# Altium PCB PCB1.PcbDoc
Units mm, origin at the board's own origin, x right, y up, seen from the top; angles counter-clockwise.
Board outline 405.89 x 265.56 mm, 2 copper layers (Top Layer, Bottom Layer); 41 components, 69 nets, 382 pads, 107 vias.
Unrouted connection lines stored in the file: 1.
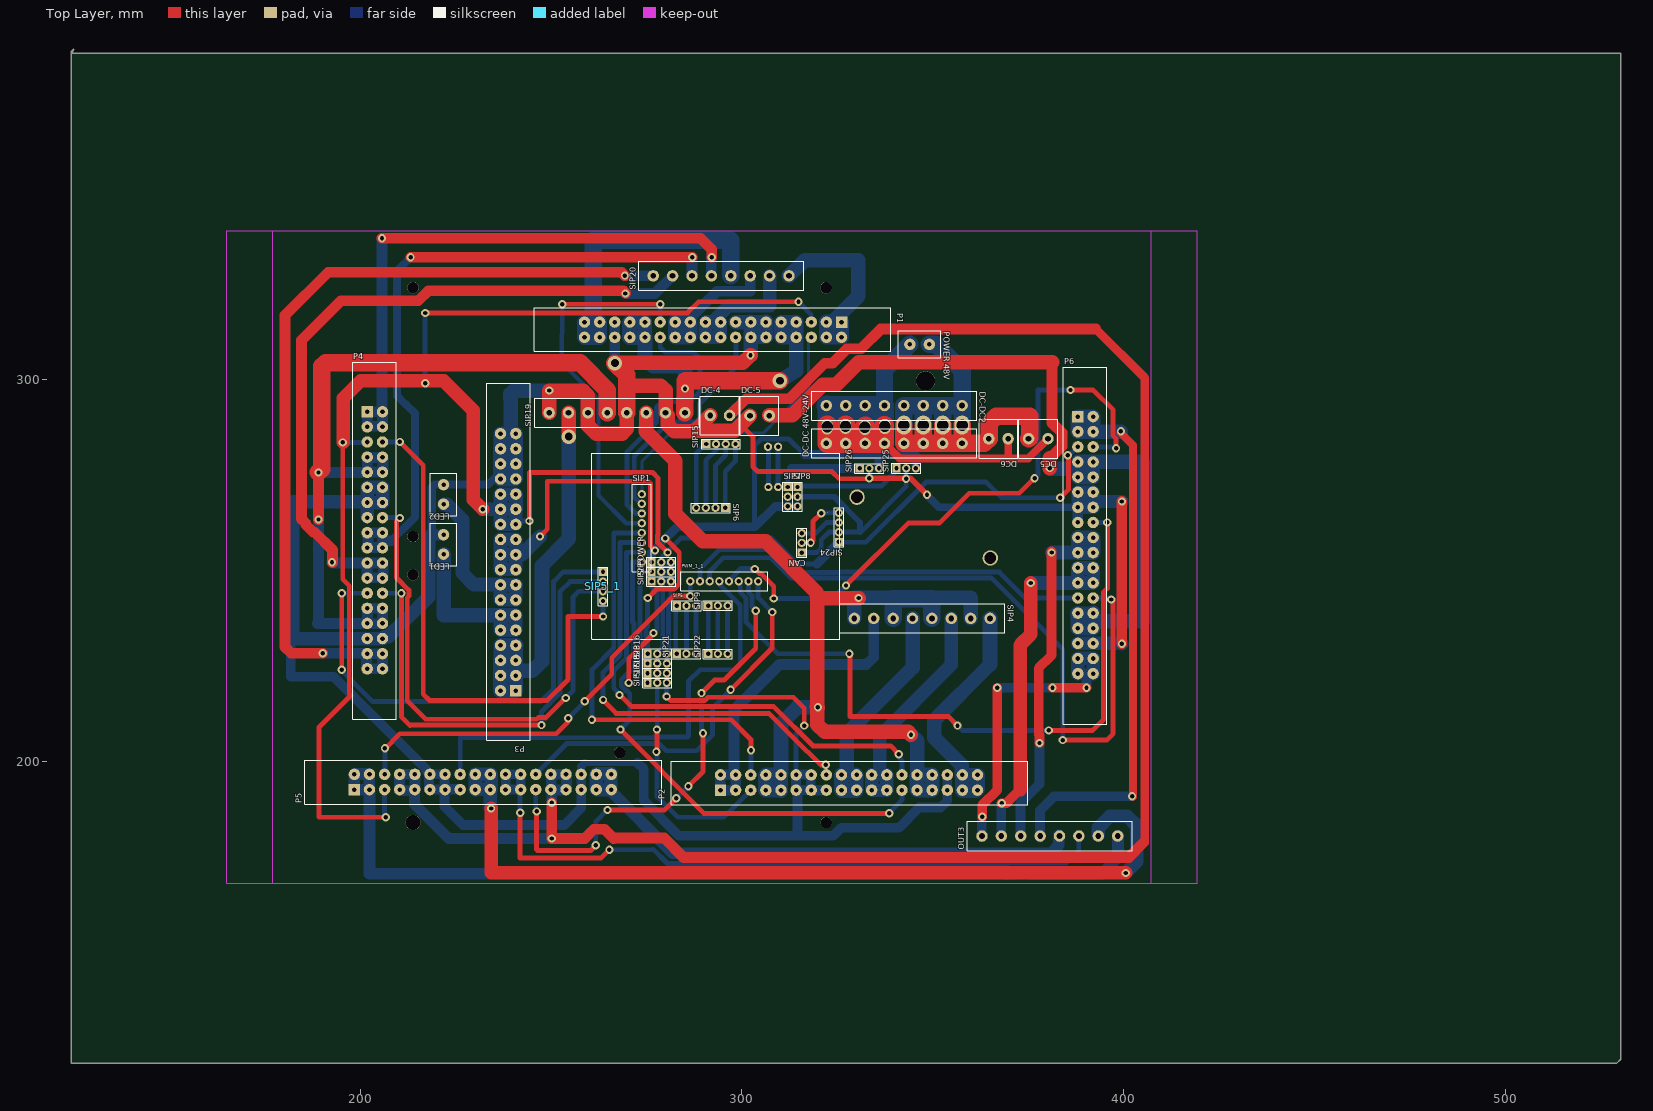
[diagram p0: Top Layer view]
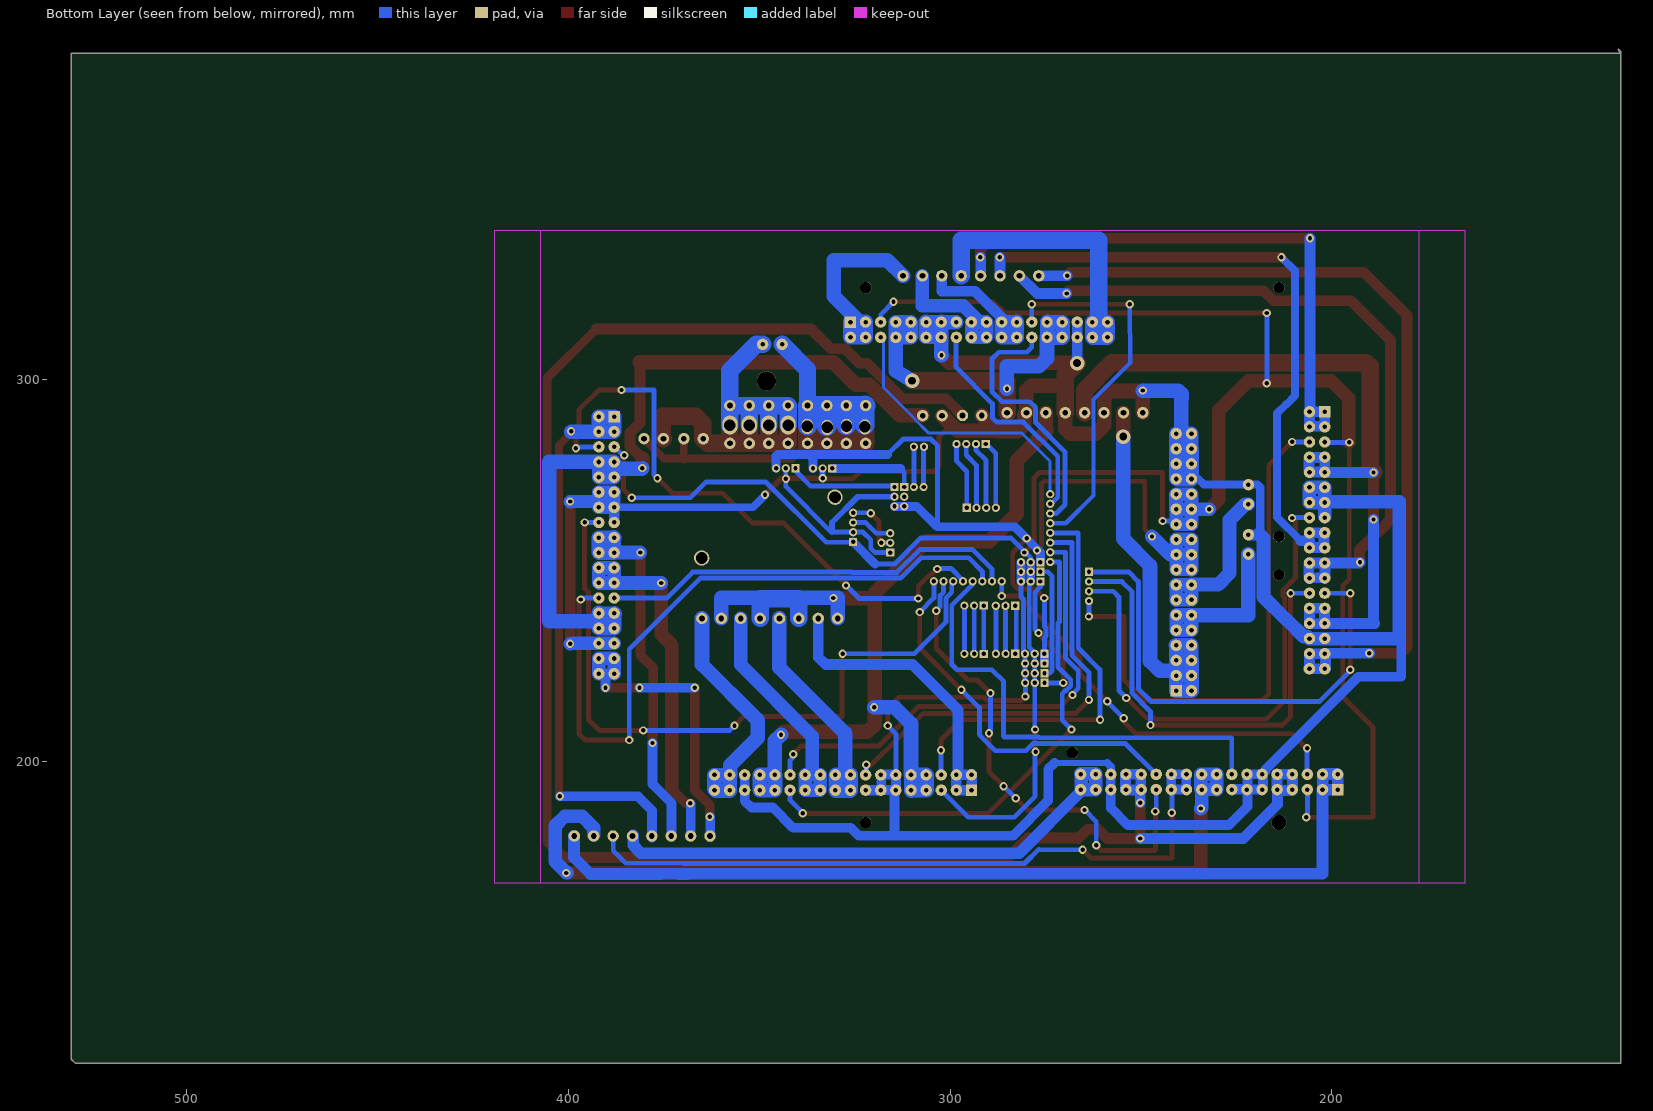
[diagram p1: Bottom Layer view, seen from below]

## Layer stack, top to bottom
Top Layer: signal copper 0.0356
Dielectric: dielectric 0.32, FR-4, Dk 4.8
Bottom Layer: signal copper 0.0356

## Board outline
124.46,385.445 124.587,385.572 530.225,385.572 530.225,122.047 529.209,121.031 124.333,121.031 124.333,385.953 124.968,386.588

## Design rules (kind name [scope] priority, off if disabled: settings)
Clearance [All] p1: gap=0.508
ComponentClearance [All] p1 off: gap=0.254 collisioncheckmode=3 verticalgap=0.254 showdistances=FALSE
PolygonConnect [All] p1: connectstyle=Relief reliefconductorwidth=0.254 reliefentries=4 polygonreliefangle="90 Angle"
RoutingVias [All] p1: holewidth=1.143 width=1.143 viastyle="Through Hole" minholewidth=1.143 minwidth=1.651 maxholewidth=12.7 maxwidth=12.7
SilkscreenOverComponentPads [All] p1: minsilkscreentomaskgap=0.254
SolderMaskExpansion [All] p1: expansion=0.102
Width [All] p1: maxlimit=12.7 minlimit=0.254 preferedwidth=0.762
26 further rules are at their usual default settings.

## Components (designator, comment, footprint, x,y, rotation, side; value= is the part's Value field where it differs from the comment)
CAN "SIP3" SIP3 315.697,254.737 r180 top
DC5 "SIP2" DIP2-3MM-K 377.647,284.582 r180 top
DC6 "SIP2" DIP2-3MM-K 367.208,284.556 r180 top
DC-4 "SIP2" DIP2-3MM-K 294.234,290.652 r0 top
DC-5 "SIP2" DIP2-3MM-K 304.648,290.601 r0 top
DC-DC2 "SIP8" DIP8-3MM 357.683,293.243 r270 top
"DC-DC 48V-24V" "SIP8" DIP8-3MM 322.123,283.337 r90 top
LED1 "SIP2" SIP2-3MM 221.869,259.41 r270 top
LED2 "SIP2" SIP2-3MM 221.869,272.517 r270 top
OUT3 "SIP8" DIP8-3MM 362.89,180.492 r90 top
P1 "Header" DIP36-3.96MM 326.111,315.112 r270 top
P2 "Header" DIP36-3.96MM 294.411,192.507 r90 top
P3 "POWER_18*2" DIP36-3.96MM 240.792,218.567 r180 top
P4 "Header" DIP36-3.96MM 201.879,291.617 r0 top
P5 "Header" DIP36-3.96MM 198.501,192.659 r90 top
P6 "Header" DIP36-3.96MM 388.01,290.347 r0 top
POWER "SIP3" SIP3 276.352,252.222 r90 top
"POWER 48V" "SIP2" SIP2-3MM 344.018,309.27 r0 top
PWM_1_1 "SIP8" SIP8 286.487,247.218 r90 top (schematic designator PWM_1)
SIP1 "SIP8" SIP8 273.787,270.053 r0 top
SIP2 "SIP3" SIP3 276.352,247.167 r90 top
SIP3 "SIP3" SIP3 276.352,249.707 r90 top
SIP4 "SIP8" DIP8-3MM 365.023,237.49 r270 top
SIP5 "SIP3" SIP3 282.956,240.792 r90 top (schematic designator 通讯端口1)
SIP5_1 "SIP4" SIP4 263.627,249.682 r0 top (schematic designator SIP5)
SIP6 "SIP4" SIP4 295.631,266.446 r270 top
SIP7 "SIP3" SIP3 312.039,271.907 r0 top
SIP8 "SIP3" SIP3 314.579,271.907 r0 top
SIP9 "SIP3" SIP3 291.186,240.843 r90 top
SIP15 "SIP4" SIP4 290.703,283.159 r90 top
SIP16 "SIP3" SIP3 275.311,228.219 r90 top
SIP17 "SIP3" SIP3 275.285,220.624 r90 top
SIP18 "SIP3" SIP3 275.285,223.139 r90 top
SIP19 "SIP8" DIP8-3MM 249.53,291.363 r90 top
SIP20 "SIP8" DIP8-3MM 276.784,327.228 r90 top
SIP21 "SIP3" SIP3 282.931,228.219 r90 top
SIP22 "SIP3" SIP3 291.186,228.194 r90 top
SIP23 "SIP3" SIP3 275.285,225.679 r90 top
SIP24 "SIP4" SIP4 325.425,257.531 r180 top
SIP25 "SIP3" SIP3 340.512,276.809 r90 top
SIP26 "SIP3" SIP3 330.86,276.784 r90 top

## Footprints (in the part's own frame and the unit in brackets; to place one, negate y for a bottom-side part, rotate by r counter-clockwise, add the part's x,y. Pads: shape width x height; smd on the part's side, far side on the other; paste and mask are expansions set on the pad)
DIP2-3MM-K [mm]
  round 3 hole 1.5: 1(-2.54,0) 2(2.54,0)
  silkscreen extent -5.08,-5.08 5.08,5.08
DIP8-3MM [mm]
  round 3 hole 1.5: 1(0,0) 2(0,-5.08) 3(0,-10.16) 4(0,-15.24) 5(0,-20.32) 6(0,-25.4) 7(0,-30.48) 8(0,-35.56)
  silkscreen extent -3.81,-39.37 3.81,3.81
DIP36-3.96MM [mm]
  rect 3x3 hole 1.2: 1(0,0)
  round 3 hole 1.2: 2(4,0) 3(0,-3.96) 4(4,-3.96) 5(0,-7.92) 6(4,-7.92) 7(0,-11.88) 8(4,-11.88) 9(0,-15.84) 10(4,-15.84) 11(0,-19.8) 12(4,-19.8) 13(0,-23.76) 14(4,-23.76) 15(0,-27.72) 16(4,-27.72) 17(0,-31.68) 18(4,-31.68) 19(0,-35.64) 20(4,-35.64) 21(0,-39.6) 22(4,-39.6) 23(0,-43.56) 24(4,-43.56) 25(0,-47.52) 26(4,-47.52) 27(0,-51.48) 28(4,-51.48) 29(0,-55.44) 30(4,-55.44) 31(0,-59.4) 32(4,-59.4) 33(0,-63.36) 34(4,-63.36) 35(0,-67.32) 36(4,-67.32)
  silkscreen extent -3.81,-80.52 7.62,12.95
SIP2-3MM [mm]
  round 3 hole 1.2: 1(0,0) 2(5.08,0)
  silkscreen extent -3.05,-3.51 8.08,3.51
SIP3 [mil]
  rect 85x85 hole 45: 1(0,0)
  round 85 hole 45: 2(0,-100) 3(0,-200)
  silkscreen extent -50,-250 50,50
SIP4 [mil]
  rect 85x85 hole 45: 1(0,0)
  round 85 hole 45: 2(0,-100) 3(0,-200) 4(0,-300)
  silkscreen extent -50,-350 50,50
SIP8 [mil]
  round 85 hole 45: 1(0,0) 2(0,-100) 3(0,-200) 4(0,-300) 5(0,-400) 6(0,-500) 7(0,-600) 8(0,-700)
  silkscreen extent -100,-800 100,100

## Free pads (board coordinates)
  round 2.159 hole 1.143: 0(309.499,271.907) 0(309.499,282.448) 1(306.832,282.448) 1(306.959,271.907)
  oval 3x4 hole 3: 0(322.326,287.655) 1(327.152,287.782) 2(332.232,287.528) 3(337.439,287.782)
  oval 4x5 hole 3: 4(342.443,288.112) 5(347.523,288.138) 6(352.603,288.112) 7(357.683,288.138)
  round 4 hole 4: 5(213.868,184.023)
  round 4 hole 3: 5(365.1,253.34) 6(330.2,269.291) 11(330.149,269.24) 12(365.049,253.289)
  round 5 hole 5: 7(348.107,299.7)
  round 3 hole 3: 9(213.868,248.92) 10(213.868,258.953) 11(213.868,324.104) 13(267.97,202.311) 14(322.072,184.023) 15(322.072,324.104)

## Via types
v1: diameter 2.159, hole 1.143, Top Layer to Bottom Layer, 104 vias
v2: diameter 3.81, hole 2.032, Top Layer to Bottom Layer, 2 vias
v3: diameter 3.81, hole 2.159, Top Layer to Bottom Layer, 1 vias

## Nets (pads, with @x,y where several pads share a name; then routed paths per layer and width w, separated by ;. In a path a pad name is that pad's centre, name@x,y a point inside that pad or via, vN(x,y) a via of type N, cw(c..) or ccw(c..) an arc to the next point about the centre after c; other vN are vias at no path point)
5V: P1.5 P2.5 P3.23 P3.24 P3.25 P3.26 P3.27 P3.28 P4.5 P5.5 P6.5 POWER.2 SIP2.2 SIP3.2 SIP16.2 SIP17.2 SIP18.2 SIP23.2 SIP24.1 | length 669.2
  Top Layer w1.27: v1(195.453,283.591) 195.453,247.777 197.167,246.062 197.167,217.742 197.612,217.297 189.23,208.915 189.23,185.42 v1(206.756,185.42) ; v1(217.043,317.5) 221.741,317.501 285.751,317.501 288.671,320.421 v1(314.833,320.421) ; v1(244.348,263.017) 244.348,275.717 276.606,275.717 278.003,274.32 278.003,259.324 277.94,259.26 277.94,257.365 v1(280.543,254.762) ; v1(277.622,202.565) 277.749,202.565 v1(277.749,208.407) ; v1(383.413,269.113) 385.572,271.272 385.572,280.035 v1(385.358,280.249)
  Top Layer w3.556: v1@195.58,283.591 195.58,295.148 200.152,299.72 221.869,299.72 229.616,291.973 229.616,268.605 v1(232.134,266.087)
  Bottom Layer w1.27: v1(195.453,283.591) 201.676,283.591 P4.5@201.803,283.464 ; P5.5 206.421,185.755 v1(206.756,185.42) ; v1(217.043,299.085) v1(217.043,317.5) ; P3.23@240.411,262.763 240.665,263.017 v1(244.348,263.017) ; v1@277.749,202.819 277.749,190.881 283.21,185.42 295.245,185.42 P2.5 ; v1(277.749,208.407) 277.825,208.483 SIP17.2 ; SIP16.2@277.749,228.219 278.422,228.892 278.422,229.034 279.273,229.885 279.273,246.786 SIP2.2 ; SIP17.2@277.825,220.802 SIP18.2 ; SIP18.2@277.851,223.241 SIP16.2 ; POWER.2@279.019,251.587 278.892,251.714 278.892,253.365 284.099,258.572 307.721,258.572 314.579,251.714 319.608,251.714 ; v1(314.833,320.421) 318.191,317.063 P1.5 ; SIP24.1@325.247,257.429 325.323,257.429 332.486,257.429 348.234,273.177 363.982,273.177 368.046,269.113 v1(383.413,269.113) ; v1(385.358,280.249) 385.786,280.249 P6.5@387.985,282.448
  Bottom Layer w2.286: SIP2.2@278.892,247.142 SIP2.2 SIP3.2 POWER.2 ; 319.608,251.714 325.323,257.429 SIP24.1
  Bottom Layer w3.556: v1(232.134,266.087) P3.26 ; P3.28@236.792,269.654 P3.26 ; P3.28 P3.27 240.837,270.047 P3.25@240.837,266.11 ; P3.26@236.855,266.065 240.792,266.065 P3.23 236.728,262.128 236.792,262.192 P3.26
9V: P3.17 P3.18 P3.19 P3.20 P3.21 P3.22 POWER.1 SIP7.3 SIP8.3 SIP16.1 SIP23.1 SIP25.3 SIP26.3 | length 255.9
  Top Layer w1.27: v1(247.142,258.953) 249.047,260.858 249.047,273.431 275.463,273.431 276.098,272.796 276.098,256.413 v1(277.241,255.27) ; v1(275.336,242.824) 277.711,245.199 282.247,245.199 283.591,246.543 283.591,254.762 v1(279.908,258.445)
  Bottom Layer w1.27: SIP16.1 275.311,232.446 274.892,232.865 274.892,234.914 275.311,235.334 275.311,242.824 v1(275.336,242.824) ; 303.149,261.747 303.276,261.874 303.276,282.702 305.054,284.48 312.293,284.48 316.333,280.44
  Bottom Layer w2.286: SIP23.1@275.311,225.781 SIP16.1 ; POWER.1 276.352,254.762 283.083,261.493 303.403,261.493 308.737,266.827 SIP7.3 SIP8.3 ; 316.333,280.44 337.082,280.44 ; SIP26.3@335.915,276.733 335.915,279.273 337.082,280.44 ; SIP25.3 345.592,280.01 345.162,280.44 337.082,280.44
  Bottom Layer w3.556: P3.18 236.792,254.19 236.728,254.254 240.792,254.254 P3.19 ; P3.20@236.792,254.318 236.792,258.191 240.792,258.191 P3.19@240.792,254.762 ; P3.18@236.855,250.317 240.792,250.317 P3.19 ; v1(247.142,258.953) 242.396,254.207 P3.19
12V_1: LED1.2 P3.9 P3.10 P3.11 P3.12 | length 46.4
  Bottom Layer w3.556: P3.10 P3.9@240.757,234.407 ; P3.9@240.792,234.442 P3.11
  Bottom Layer w3.81: LED1.2 221.869,238.367 P3.12 ; P3.10@236.792,234.575 P3.12 ; P3.11@240.653,238.367 P3.12
12V_2: LED2.2 P3.13 P3.14 P3.15 P3.16 | length 47.9
  Bottom Layer w3.556: LED2.2 222.656,267.437 226.822,263.271 226.822,249.301 229.743,246.38 P3.16@236.855,246.38 ; P3.14 P3.13@240.781,242.327 ; P3.14@236.792,242.379 P3.16 P3.15 ; P3.13@240.792,242.304 P3.13 P3.15 ; P3.15@240.885,246.287 P3.15
DC24V_1+: P1.7 P1.8 P1.9 P1.10 P1.27 P1.28 P1.29 P1.30 SIP19.8 | length 101.2
  Top Layer w4.572: SIP19.8 285.217,299.72 v2(309.982,299.72)
  Bottom Layer w3.81: P1.29@270.51,314.96 270.51,311.15 270.637,311.023 274.701,311.023 274.574,311.15 274.574,315.214 274.472,315.112 P1.29 ; P1.28 274.631,305.632 276.733,303.53 285.115,303.53 v1(285.115,297.688) ; v2(309.982,299.72) 314.231,302.318 P1.8 310.426,311.112 310.388,311.15 P1.9@310.388,315.087 ; P1.9@310.413,315.112 P1.7 P1.8@314.231,311.371
DC24V_1-: CAN.1 DC-4.1 DC-5.1 LED1.1 LED2.1 P1.11 P1.12 P1.13 P1.14 P1.15 P1.31 P1.32 P2.11 P2.12 P2.13 P2.14 P2.15 P2.31 P2.32 P3.29 P3.30 P3.31 P3.32 P3.33 P3.34 P3.35 P3.36 P4.11 P4.12 P4.13 P4.14 P4.15 P4.31 P4.32 P5.11 P5.12 P5.13 P5.14 P5.15 P5.31 P5.32 P6.11 P6.12 P6.13 P6.14 P6.15 P6.31 P6.32 POWER.3 SIP2.3 SIP3.3 SIP7.2 SIP8.2 SIP16.3 SIP17.3 SIP18.3 SIP19.1 SIP19.3 SIP19.5 SIP19.7 SIP23.3 SIP24.2 SIP25.2 SIP26.2 | length 1033
  Top Layer w1.27: v1(280.289,217.043) 281.368,215.963 290.248,215.963 291.137,216.852 313.5,216.852 316.357,213.995 v1(316.357,209.423) ; 299.758,288.252 302.895,285.115 302.895,277.241 304.165,275.971 323.596,275.971 325.501,274.066 v1@333.248,274.066
  Top Layer w1.524: v1(333.375,274.193) 344.17,274.193 v1(348.488,269.875) v1@348.591,269.772
  Top Layer w2.794: v1(399.542,230.886) v1(399.542,268.097)
  Top Layer w3.81: SIP19.1 249.53,297.155 v1(249.555,297.18) ; v1@249.555,297.053 258.445,297.053 259.69,295.808 SIP19.3 259.69,288.061 261.874,285.877 268.605,285.877 269.875,287.147 SIP19.5@269.875,291.211 ; v3@266.446,304.419 300.228,304.419 v1(302.26,306.451) ; 269.875,298.45 278.765,298.45 280.01,297.205 SIP19.7 ; SIP19.7@280.035,291.338 280.61,290.763 280.61,288.218 282.316,286.512 287.863,286.512 287.99,286.639 ; 287.274,286.639 287.99,286.639 ; DC-4.1 288.519,287.477 288.828,287.477 287.99,286.639 ; DC-5.1 299.758,288.252 298.145,286.639 287.99,286.639
  Top Layer w4.572: v3(266.751,304.368) 269.85,301.269 SIP19.5
  Bottom Layer w1.27: v1(280.289,217.043) SIP17.3@280.289,220.726 ; SIP23.3 SIP23.3@280.391,225.679 ; SIP17.3@280.391,220.624 SIP16.3 ; SIP16.3@280.416,228.219 280.797,228.6 280.797,242.57 281.432,243.205 SIP2.3 ; P2.12 314.211,196.596 314.211,207.277 v1(316.357,209.423) ; CAN.1 319.634,254.737 320.802,255.905 320.802,258.064 322.834,260.096 330.962,260.096 331.089,260.096 343.052,272.059 v1@343.052,274.066 ; v1(343.027,274.066) v1@343.052,274.066 ; SIP25.2 v1@343.052,274.066
  Bottom Layer w1.524: 258.826,199.644 272.669,199.644 ; SIP8.2 324.231,269.367 330.962,262.636 330.962,260.096 ; v1(333.375,274.193) 333.4,274.218 SIP26.2
  Bottom Layer w2.032: P5.32 257.901,198.719 258.826,199.644 ; v1@348.298,269.938 351.649,266.587 P6.13
  Bottom Layer w2.159: 218.757,259.779 218.757,266.148 ; 218.821,266.084 218.757,266.148 ; LED2.1@221.996,272.542 219.507,272.542 218.757,271.793 218.757,266.148 ; LED2.1@223.266,272.542 233.553,272.542 235.018,274.007 236.787,274.007 P3.30 ; P3.29@240.515,274.007 P3.29
  Bottom Layer w2.286: SIP2.3@281.432,247.142 SIP2.3 SIP3.3 ; SIP3.3@281.432,250.063 POWER.3
  Bottom Layer w2.54: 182.689,235.775 181.864,234.95 181.864,222.25 193.027,222.25 217.423,197.854 217.423,197.537 P5.12 222.059,196.659 222.123,196.723 222.123,192.786 226.187,192.786 226.314,192.659 P5.15 P5.13 P5.13@222.123,192.659 ; P5.12@218.059,196.659 218.059,192.913 218.313,192.659 P5.13@222.123,192.659 ; P5.31 257.901,187.797 253.492,183.388 226.949,183.388 222.123,188.214 P5.13@222.123,192.659 ; P5.31@257.901,192.75 P5.32 ; 272.669,199.644 274.32,197.993 274.32,189.738 283.464,180.594 323.977,180.594 326.009,182.626 341.108,182.626 346.442,187.96 348.742,187.96 ; P2.11@314.198,193.294 314.198,196.596 314.211,196.596 317.881,196.596 318.008,196.469 318.008,192.405 322.199,192.405 322.326,192.532 314.452,192.532 P2.11@314.325,192.659 ; 314.598,180.848 P2.11@314.598,192.894 ; 348.756,187.96 348.742,187.96 ; P2.31 353.811,189.727 352.044,187.96 348.742,187.96 ; P2.32 353.811,192.543 P2.31@353.822,192.532
  Bottom Layer w2.794: 219.837,259.334 LED1.1@221.869,259.334 ; P1.31 P1.32 266.711,304.408 v3(266.751,304.368) ; P6.15 P6.13@388.01,266.471
  Bottom Layer w3.556: P4.13@201.803,268.097 182.372,268.097 182.372,232.217 P4.31 P4.32@205.674,232.217 ; P4.15@201.879,264.109 P4.13 ; P4.11 P4.11@201.893,271.817 ; P4.11@201.893,271.87 P4.11@201.893,271.817 ; P4.32 206.307,232.645 207.342,232.645 211.986,237.29 211.986,237.132 217.932,243.078 217.932,258.445 219.075,259.588 ; P6.31 P6.31@388.076,231.013 ; P6.11 P6.12 392.043,270.547 392.043,266.579 388.106,266.579 P6.11@388.106,270.433 ; P6.31@388.178,230.947 P6.32 399.034,230.947 v1(399.542,230.886) ; 390.779,268.097 390.906,268.224 v1(399.542,268.097) ; P4.11@201.893,271.817 201.893,267.753 205.904,267.753 205.904,271.817 P4.12 P4.11@201.893,271.817
  Bottom Layer w3.81: P3.30@236.787,274.007 P3.34@236.787,281.872 ; P3.30 P3.29@240.515,274.007 ; P3.32@236.891,277.967 P3.31 ; 239.141,285.623 P3.35@239.405,285.887 ; 239.395,295.021 239.395,296.291 240.284,297.18 v1(249.555,297.18) ; 239.415,295.041 239.415,285.897 P3.35@239.405,285.887 ; P3.33@240.678,281.927 P3.34 P3.36 P3.35@239.405,285.887 ; P3.29@240.792,274.111 P3.31 ; P1.15 P1.13 P1.13@302.362,315.112 ; v1(302.26,306.451) 302.351,306.542 P1.14 ; P1.13@302.26,315.214 P1.13@302.362,315.112 ; P3.35@239.405,285.887 P3.35 P3.33 P3.31 ; P1.13@302.362,315.112 302.387,315.087 302.387,311.15 302.514,311.277 306.324,311.277 306.324,315.214 306.222,315.112 P1.13@302.362,315.112
DC24V_2+: P2.7 P2.8 P2.9 P2.10 P2.27 P2.28 P2.29 P2.30 SIP4.2 SIP4.4 SIP4.6 SIP4.8 SIP19.6 | length 265.8
  Top Layer w3.81: 274.828,287.299 274.828,286.512 282.575,278.765 282.575,264.922 289.814,257.683 306.197,257.683 319.659,244.221 319.659,243.713 319.786,243.586 ; 274.93,287.122 SIP19.6 ; v1@319.659,214.376 319.913,214.122 319.786,213.995 319.786,209.677 321.691,207.772 343.535,207.772 v1(344.297,207.01) ; v1@319.786,214.249 319.786,243.586 ; v1(330.581,242.824) 320.548,242.824 319.786,243.586
  Bottom Layer w3.81: P2.8 310.172,196.507 310.172,192.316 309.955,192.532 306.197,192.532 306.197,196.469 P2.8@306.324,196.596 ; P2.10 310.251,209.921 314.579,214.249 v1(319.913,214.249) ; SIP4.8 329.463,242.951 339.217,242.951 ; v1(344.297,207.01) 345.891,205.416 P2.28 349.796,196.507 349.885,196.596 349.885,192.532 345.948,192.532 345.821,192.659 345.821,196.342 P2.28@345.948,196.469 ; 350.647,242.951 359.943,242.951 SIP4.2
  Bottom Layer w4.572: SIP4.6 339.623,242.616 349.783,242.616 SIP4.4
DC24V_3+: P4.7 P4.8 P4.9 P4.10 P4.27 P4.28 P4.29 P4.30 SIP19.4 | length 209.6
  Top Layer w2.794: v1(189.103,263.398) v1(189.103,275.717)
  Top Layer w4.572: v1(189.103,275.717) 189.992,276.606 189.992,303.53 190.119,303.53 191.008,304.419 257.658,304.419 264.77,297.307 SIP19.4
  Bottom Layer w2.794: v1(189.103,263.398) 189.103,236.516 188.765,236.177 P4.29 ; v1(189.103,275.717) P4.9@201.803,275.717 ; P4.7 201.879,275.92 201.803,275.844 205.994,275.844 205.994,279.527 205.867,279.654 P4.7@202.057,279.654 ; P4.28@205.867,240.157 P4.28@205.867,240.137 ; P4.28 P4.28@205.867,240.137 ; P4.28@205.867,240.137 205.867,236.093 201.93,236.093 201.93,240.03 201.823,240.137 P4.27 P4.28@205.867,240.137
DC24V_4+: P3.1 P3.2 P3.3 P3.4 P3.5 P3.6 P3.7 P3.8 SIP19.2 | length 115.8
  Top Layer w3.81: SIP19.2 254.61,285.14 v2(254.635,285.115)
  Bottom Layer w3.81: P3.6@236.728,226.695 P3.4@236.728,222.631 ; P3.6 P3.5@240.619,226.487 ; P3.6@236.792,226.505 P3.8 P3.7 P3.7@240.85,230.447 ; P3.3@240.665,223.774 P3.3@240.792,223.774 ; P3.7@240.792,230.343 P3.5 P3.3@240.792,223.774 ; v2(254.635,285.115) 254.635,258.318 247.65,251.333 247.65,226.314 245.11,223.774 P3.3@240.792,223.774 ; P3.4@236.728,222.631 P3.3@240.792,222.631 ; P3.4@236.728,222.631 236.728,218.567 P3.2 P3.1 P3.3 P3.3@240.792,222.631 ; P3.3@240.792,222.631 P3.3@240.792,223.774
DC24V_5+: DC-4.2 P5.7 P5.8 P5.9 P5.10 P5.27 P5.28 P5.29 P5.30 | length 494.3
  Top Layer w2.032: 405.498,300.495 405.638,300.355
  Top Layer w2.286: 392.684,313.309 405.498,300.495 405.498,178.93 405.257,178.689
  Top Layer w2.794: v1(250.19,189.23) v1(250.19,179.832) 258.826,179.832 261.239,182.245 264.033,182.245 266.446,179.832 266.446,179.959 ; 266.7,179.959 279.654,179.959 284.734,174.879 401.307,174.879 405.257,178.829 ; DC-4.2 301.142,295.021 312.471,295.021 321.742,304.292 323.746,304.292 327.556,308.102 331.216,308.102 336.423,313.309 392.684,313.309
  Bottom Layer w2.794: P5.8@210.312,195.961 210.312,192.532 210.439,192.405 P5.9@214.249,192.405 ; P5.8 P5.10 214.439,196.659 214.502,196.596 214.376,196.47 214.376,192.532 P5.9@214.249,192.405 ; P5.27@249.809,192.532 250.19,192.151 v1(250.19,189.23) ; P5.28 P5.30 254.063,196.659 254.063,192.595 254,192.532 250.063,192.532 P5.28@250.063,196.469 ; v1(250.19,179.832) 223.266,179.832 214.249,188.849 P5.9@214.249,192.405
DC24V_6+: DC-5.2 P6.7 P6.8 P6.9 P6.10 P6.27 P6.28 P6.29 P6.30 | length 217.3
  Top Layer w2.794: 380.619,279.383 383.846,282.61 383.846,286.097 381.254,288.689 381.254,304.546
  Top Layer w3.81: DC-5.2@307.213,290.703 313.182,290.703 321.183,298.704 324.231,298.704 ; 324.739,298.704 330.581,304.546 381.254,304.546 ; v1(380.619,276.86) 380.619,279.383
  Bottom Layer w3.81: v1(380.619,276.86) v1@380.746,276.733 ; v1@380.873,276.733 388.156,276.733 ; P6.27@387.858,238.76 P6.27@388.01,238.76 ; P6.27 P6.27@388.01,238.76 ; 390.652,236.728 392.049,236.728 ; P6.8@391.966,278.428 391.966,274.491 388.156,274.491 388.156,276.733 ; 395.351,236.728 392.049,236.728 ; 395.859,236.728 404.99,236.728 404.99,278.467 P6.8 388.156,278.467 388.156,276.733 ; P6.27@388.01,238.76 391.795,238.76 392.049,239.014 392.049,236.728 ; P6.27@388.01,238.76 388.01,234.975 388.036,234.95 392.049,234.95 392.049,236.728
NetCAN_2: CAN.2 SIP24.4 | length 16.2
  Top Layer w1.27: v1(318.008,257.302) 318.643,257.937 318.643,262.89 v1(320.802,265.049)
  Bottom Layer w1.27: CAN.2 317.983,257.277 v1(318.008,257.302) ; CAN.2@315.697,257.353 CAN.2@315.94,257.353 ; v1(320.802,265.049) 320.929,265.176 SIP24.4@325.501,265.176
NetCAN_3: CAN.3 SIP24.3 | length 11
  Bottom Layer w1.27: CAN.3 319.38,259.817 322.199,262.636 SIP24.3@325.501,262.636
NetSIP2_1: SIP2.1 SIP17.1 | length 35.5
  Top Layer w1.27: v1(270.383,220.599) 270.383,226.949 v1@277.114,233.68 ; v1(276.86,233.68) v1@277.114,233.68 ; v1@277.178,233.743 v1@277.114,233.68
  Bottom Layer w1.27: v1(270.383,220.599) SIP17.1@275.209,220.599 ; SIP2.1 276.352,245.745 277.749,244.348 277.749,234.569 v1(276.86,233.68)
NetSIP3_1: SIP3.1 SIP18.1 | length 30.6
  Bottom Layer w1.27: SIP18.1@275.336,223.139 SIP18.1 273.939,223.139 273.279,223.799 273.279,248.514 274.472,249.707 SIP3.1
NetSIP5_1: SIP5.1 SIP21.1 | length 25.6
  Bottom Layer w0.762: 282.448,229.54 282.931,229.057 SIP21.1 282.931,240.843 282.448,240.36 282.448,229.54
NetSIP5_2: SIP5.2 SIP21.2 | length 13.7
  Bottom Layer w0.762: SIP21.2 SIP21.2@285.471,228.736 ; SIP5.2@285.471,240.326 SIP5.2@285.471,240.843
  Bottom Layer w1.27: SIP21.2 SIP5.2@285.471,240.843
NetSIP5_3: SIP5.3 SIP21.3 | length 13
  Bottom Layer w0.762: SIP5.3@288.011,240.487 SIP5.3@288.011,240.843
  Bottom Layer w1.27: SIP21.3 SIP5.3@288.011,240.843
NetSIP6_1: SIP6.1 SIP15.4 | length 17.8
  Bottom Layer w1.27: SIP6.1@295.656,266.446 295.656,275.971 298.323,278.638 SIP15.4
NetSIP6_2: SIP6.2 SIP15.3 | length 17.8
  Bottom Layer w1.27: SIP6.2@293.116,266.446 293.116,277.622 295.783,280.289 SIP15.3
NetSIP6_3: SIP6.3 SIP15.2 | length 17.8
  Bottom Layer w1.27: SIP6.3@290.576,266.446 290.576,278.892 293.243,281.559 SIP15.2
NetSIP6_4: SIP6.4 SIP15.1 | length 18
  Bottom Layer w1.27: SIP6.4@288.036,266.446 288.036,280.797 290.398,283.159 SIP15.1
NetSIP7_1: SIP7.1 SIP26.1 | length 22.9
  Bottom Layer w1.27: SIP7.1 312.039,275.717 312.928,276.606
  Bottom Layer w2.286: 312.979,276.784 SIP26.1
NetSIP8_1: SIP8.1 SIP25.1 | length 28.4
  Bottom Layer w1.27: SIP8.1 314.852,272.18 331.397,272.18 331.415,272.161 336.55,272.161 340.487,276.098 SIP25.1@340.487,276.86
NetSIP9_1: SIP9.1 SIP22.1 | length 12.6
  Bottom Layer w1.27: SIP22.1 SIP9.1
NetSIP9_2: SIP9.2 SIP22.2 | length 12.7
  Bottom Layer w0.762: SIP22.2@293.683,228.236 SIP22.2 ; SIP9.2@293.683,240.8 SIP9.2
  Bottom Layer w1.27: SIP22.2@293.683,228.236 SIP9.2@293.683,240.8
NetSIP9_3: SIP9.3 SIP22.3 | length 12.6
  Bottom Layer w1.27: SIP22.3 SIP9.3
OUT1: P1.1 P1.2 P1.3 P1.4 SIP20.8 | length 55.7
  Bottom Layer w3.81: SIP20.8 316.459,331.343 330.454,331.343 330.454,321.818 323.85,315.214 ; P1.3@322.072,315.214 322.151,315.135 P1.3 ; P1.3@322.199,315.064 P1.3 ; P1.3@322.199,315.214 323.85,315.214 ; 323.85,314.452 323.85,315.214 ; P1.2@326.174,311.112 P1.2 ; P1.3 P1.4 P1.2 ; 323.85,315.214 326.136,315.214 326.111,315.189 P1.1 P1.2
OUT1-: P1.17 P1.18 P1.19 P1.20 SIP20.7 | length 40.4
  Bottom Layer w3.556: P1.19@290.449,315.087 P1.19@290.471,315.109 ; P1.19 P1.19@290.471,315.109 ; 292.354,314.96 292.354,315.214 ; SIP20.7 307.264,319.405 296.545,319.405 292.354,315.214 ; P1.19@290.471,315.109 290.471,311.255 290.576,311.15 294.259,311.15 294.386,311.277 294.386,315.087 294.259,315.214 292.354,315.214 ; P1.19@290.471,315.109 290.576,315.214 292.354,315.214
OUT2: P1.21 P1.22 P1.23 P1.24 SIP20.6 | length 41.3
  Bottom Layer w2.794: 284.607,314.452 284.607,315.112 285.394,315.112 293.497,323.215 302.184,323.215 SIP20.6
  Bottom Layer w3.81: P1.24 P1.23 ; P1.23@282.551,315.19 P1.23 ; P1.24@282.613,311.112 P1.22 ; P1.21@286.41,315.112 284.607,315.112 P1.23 ; P1.22@286.511,311.278 P1.21
OUT2-: P1.33 P1.34 P1.35 P1.36 SIP20.5 | length 82.8
  Bottom Layer w3.81: P1.36 P1.35 261.468,315.112 P1.33 P1.34 262.687,311.048 P1.36@258.855,311.048
  Bottom Layer w4.572: 260.883,315.697 261.468,315.112 P1.33@261.468,314.465 ; 261.112,316.357 261.112,336.512 297.104,336.512 SIP20.5
OUT3: P4.1 P4.2 P4.3 P4.4 SIP20.4 | length 155.9
  Top Layer w2.794: v1(205.74,337.058) 289.179,337.058 292.1,334.137 v1(292.1,332.105)
  Bottom Layer w2.794: P4.1@201.803,291.592 P4.1@201.879,291.592 ; P4.1 P4.1@201.879,291.592 ; v1(205.74,337.058) 205.74,291.719 P4.2@205.867,291.592 ; P4.2@205.994,291.465 P4.2@205.867,291.592 ; SIP20.4 292.024,332.029 v1(292.1,332.105) ; P4.1@201.879,291.592 P4.2@205.867,291.592 ; P4.1@201.879,291.592 201.879,287.833 201.93,287.782 205.867,287.782 P4.2@205.867,291.592
OUT3-: P4.17 P4.18 P4.19 P4.20 SIP20.3 | length 177.7
  Top Layer w2.794: v1(213.233,332.105) v1(287.02,332.105)
  Bottom Layer w1.524: 211.963,293.497 212.598,292.862
  Bottom Layer w2.032: 208.153,257.81 214.376,264.033 214.376,291.211 212.09,293.497 211.963,293.497 209.677,295.783 209.677,328.549 v1(213.233,332.105)
  Bottom Layer w2.794: P4.17 P4.18 205.899,259.937 205.899,257.81 ; P4.17@202.089,259.81 202.089,256.064 205.899,256.064 205.899,257.81 ; 205.867,257.81 205.899,257.81 ; 208.153,257.81 205.899,257.81 ; SIP20.3 286.944,330.759 287.02,330.835 v1(287.02,332.105)
OUT4: P4.21 P4.22 P4.23 P4.24 SIP20.2 | length 192.6
  Top Layer w2.794: v1@192.786,252.095 192.786,255.404 188.094,260.096 187.735,260.096 185.801,262.03 185.801,262.389 184.658,263.532 184.658,310.368 194.989,320.699 215.278,320.699 217.921,323.342 268.986,323.342 v1@269.621,322.707
  Bottom Layer w2.794: v1(192.659,252.222) 192.864,252.017 P4.21 P4.21@201.979,252.017 ; P4.21@202.057,252.095 P4.21@201.979,252.017 ; v1(269.494,322.58) 277.216,322.58 SIP20.2 ; P4.21@201.979,252.017 P4.22 206.043,252.017 206.043,248.08 205.867,247.904 205.613,248.158 201.803,248.158 201.803,251.841 P4.21@201.979,252.017
OUT4-: P4.33 P4.34 P4.35 P4.36 SIP20.1 | length 226.8
  Top Layer w2.794: v1(190.246,228.346) 181.991,228.346 180.34,229.997 180.34,316.865 191.643,328.168 268.478,328.168 v1(269.367,327.279)
  Bottom Layer w2.794: v1@190.119,228.346 201.295,228.346 P4.33@201.676,227.965 ; P4.33@201.676,228.219 P4.33@201.676,227.965 ; P4.33 P4.34@205.524,228.257 ; P4.34 205.879,224.524 206.121,224.282 201.676,224.282 P4.33@201.676,227.965 ; v1(269.367,327.279) 269.418,327.228 SIP20.1
OUT5: P2.1 P2.2 P2.3 P2.4 SIP4.7 | length 85.7
  Bottom Layer w2.794: P2.2@294.348,196.685 P2.2@294.348,196.507 ; P2.4@297.942,196.507 297.942,213.36 ; 297.942,213.487 309.88,225.425 332.613,225.425 334.543,227.355 SIP4.7 ; P2.2@294.348,196.507 294.348,192.443 298.361,192.443 298.361,196.507 P2.2@294.348,196.507
OUT6: P2.17 P2.18 P2.19 P2.20 SIP4.5 | length 64.2
  Bottom Layer w3.81: P2.18 P2.18@327.533,196.507 ; P2.18@326.263,196.469 326.009,196.215 326.009,192.532 326.136,192.405 329.946,192.405 329.946,196.596 329.857,196.507 P2.18@327.533,196.507 ; P2.18@327.533,196.469 P2.18@327.533,196.507 ; SIP4.5 344.703,224.561 327.533,207.391 P2.18@327.533,196.507
OUT7: P2.21 P2.22 P2.23 P2.24 SIP4.3 | length 64.5
  Bottom Layer w3.556: P2.22@334.01,196.469 334.01,192.659 334.137,192.532 337.947,192.532 337.947,196.469 337.82,196.596 337.731,196.507 336.169,196.507 ; P2.22 336.169,196.507 ; SIP4.3 354.863,225.323 336.169,206.629 336.169,196.507
OUT8: P2.33 P2.34 P2.35 P2.36 SIP4.1 | length 66
  Bottom Layer w3.81: P2.34@357.759,196.215 357.759,192.405 361.442,192.405 361.823,192.786 361.823,196.469 357.632,196.469 357.632,199.009 350.393,206.248 350.393,210.82 364.998,225.425 364.998,237.465 SIP4.1
OUT9: OUT3.8 P5.1 P5.2 P5.3 P5.4 | length 241.4
  Bottom Layer w3.048: P5.2 P5.1 202.438,192.659 202.438,196.596 202.311,196.723 P5.2@198.628,196.723 ; P5.3 202.461,170.624 368.783,170.624 368.846,170.561 371.056,170.561 371.119,170.624 375.729,170.624 375.793,170.561 394.208,170.561 398.526,174.879 OUT3.8@398.526,180.594
OUT9-: OUT3.7 P5.17 P5.18 P5.19 P5.20 | length 232.1
  Top Layer w3.556: v1(234.315,187.706) 234.315,170.879 v1@400.558,170.879
  Bottom Layer w3.556: P5.18 P5.20 234.251,196.659 234.315,196.723 234.315,192.913 234.188,192.786 230.251,192.786 230.124,192.659 230.124,196.088 P5.18@230.378,196.342 ; P5.19 234.141,187.88 v1(234.315,187.706) ; OUT3.7@393.319,180.848 393.319,182.626 396.367,185.674 400.939,185.674 403.479,183.134 403.479,173.863 400.494,170.879 v1@400.304,170.879
  other v1: 400.558,170.815
OUT10: OUT3.6 P5.21 P5.22 P5.23 P5.24 | length 188.1
  Top Layer w1.27: v1(241.935,186.563) 241.935,174.752 263.144,174.752 v1(265.303,176.911)
  Bottom Layer w1.27: v1(241.935,186.563) P5.23@241.935,192.532 ; v1@265.176,176.911 276.771,176.911 ; 276.771,177.038 280.518,173.291 369.887,173.291 ; 370.078,173.355 384.937,173.355 388.239,176.657 OUT3.6@388.239,180.721
  Bottom Layer w2.54: P5.23 P5.21 237.998,192.659 238.125,192.786 238.125,196.596 238.188,196.659 P5.24 ; P5.23 P5.24@242.062,196.85
OUT10-: OUT3.5 P5.33 P5.34 P5.35 P5.36 | length 144
  Bottom Layer w3.048: P5.35@265.557,192.659 265.557,192.405 281.94,176.022 381,176.022 383.032,178.054 OUT3.5@383.032,180.721
  Bottom Layer w3.556: P5.34 261.874,196.646 261.874,192.786 262.001,192.659 265.557,192.659 265.684,192.659 265.684,196.723 265.811,196.85 262.001,196.85 P5.34@261.874,196.723
OUT11: OUT3.4 P6.1 P6.2 P6.3 P6.4 | length 152.6
  Top Layer w2.032: v1@399.161,286.131 402.463,282.829 v1@402.463,190.754
  Bottom Layer w2.54: OUT3.4@378.079,180.086 378.079,187.198 381.762,190.881 v1(402.209,190.881)
  Bottom Layer w3.81: P6.1 388.01,286.487 388.112,286.385 P6.4@392.049,286.385 ; P6.1@388.112,290.322 392.049,290.322 P6.4@392.049,286.385 ; v1@399.288,286.385 P6.4@392.049,286.385
  other v1: 399.288,286.512
OUT11-: OUT3.3 P6.17 P6.18 P6.19 P6.20 | length 101.3
  Top Layer w2.54: v1(377.952,204.851) 377.952,206.884 377.762,207.075 377.762,224.472 381.127,227.838 v1(381.127,254.762) v1@381.127,255.016
  Bottom Layer w2.54: OUT3.3@372.999,180.848 372.999,189.103 377.952,194.056 v1(377.952,204.851)
  Bottom Layer w3.556: v1(381.127,254.762) 388.112,254.762 P6.19@388.747,254.762
  Bottom Layer w3.81: P6.17 P6.17@388.112,258.667 ; P6.17@388.112,258.699 P6.17@388.112,258.667 ; P6.17@388.112,258.667 388.112,254.762 388.112,254.635 391.922,254.635 392.049,254.762 392.049,258.572 391.954,258.667 P6.17@388.112,258.667
OUT12: OUT3.2 P6.21 P6.22 P6.23 P6.24 | length 97.9
  Top Layer w2.54: v1@367.919,189.103 369.316,189.103 372.872,192.659
  Top Layer w3.556: 372.872,192.659 372.872,230.505 375.666,233.299 v1(375.666,246.761)
  Bottom Layer w2.54: OUT3.2@367.919,180.721 v1@367.919,188.976
  Bottom Layer w3.556: v1(375.666,246.761) P6.23@387.731,246.761 ; P6.24@391.922,246.761 387.985,246.761 387.985,250.698 392.049,250.698 392.01,250.659 P6.24
  other v1: 368.046,189.103
OUT12-: OUT3.1 P6.33 P6.34 P6.35 P6.36 | length 81.9
  Top Layer w2.54: v1@362.966,185.42 362.966,188.595 366.903,192.532 366.903,195.326 ; 366.903,193.421 v1(366.903,219.329) ; v1(381.381,219.329) v1(390.271,219.329)
  Bottom Layer w2.54: OUT3.1@362.839,180.213 v1@362.839,185.471 ; v1(366.903,219.329) v1(381.381,219.329) ; 390.017,223.139 390.271,222.885 v1(390.271,219.329)
  Bottom Layer w3.556: P6.35@388.01,222.987 P6.35 P6.33 ; P6.33@388.214,227.051 392.024,227.051 P6.36@392.024,222.987
  other v1: 362.966,185.547
"POWER 48V+": "DC-DC 48V-24V.5" "DC-DC 48V-24V.6" "DC-DC 48V-24V.7" "DC-DC 48V-24V.8" "POWER 48V.2" DC5.2 DC6.2 DC-DC2.1 DC-DC2.2 DC-DC2.3 DC-DC2.4 pad.4 pad.5@347.523,288.138 pad.6@352.603,288.112 pad.7@357.683,288.138 | length 119.5
  Top Layer w4.572: pad.4 342.443,283.337 347.523,283.337 ; pad.5@347.523,288.138 347.523,283.337 ; pad.6@352.603,288.112 352.603,283.337 ; pad.7@357.683,288.138 357.683,283.337 ; DC5.2@375.158,284.607 375.412,284.861 375.412,290.449 366.649,290.449 364.744,288.544 364.744,284.607 363.474,283.337 357.683,283.337 ; 347.523,283.337 352.603,283.337 ; 352.603,283.337 357.683,283.337
  Bottom Layer w4.572: pad.4@342.443,288.163 DC-DC2.4 DC-DC2.3 ; pad.5@347.523,288.112 DC-DC2.3 ; 349.098,309.27 350.799,309.27 357.683,302.387 DC-DC2.1 ; pad.6@352.603,288.163 DC-DC2.2 ; pad.7@357.683,288.138 DC-DC2.1 ; DC-DC2.3 DC-DC2.2 ; DC-DC2.2 DC-DC2.1
"POWER 48V-": "DC-DC 48V-24V.1" "DC-DC 48V-24V.2" "DC-DC 48V-24V.3" "DC-DC 48V-24V.4" "POWER 48V.1" DC5.1 DC6.1 DC-DC2.5 DC-DC2.6 DC-DC2.7 DC-DC2.8 pad.0@322.326,287.655 pad.1@327.152,287.782 pad.2 pad.3 | length 141.1
  Top Layer w2.032: 337.363,283.337 341.3,279.4 369.748,279.4 ; 369.748,279.019 369.748,279.4 ; DC6.1@369.824,284.48 DC6.1 369.748,279.4 ; DC5.1 375.006,279.4 369.748,279.4
  Top Layer w5.08: pad.0@322.326,288.163 322.326,283.337 327.203,283.337 ; pad.1@327.203,288.112 327.203,283.337 ; pad.2@332.359,287.782 332.283,287.858 332.283,283.337 ; pad.3@337.363,287.909 337.312,287.909 337.312,287.782 337.363,287.731 337.363,283.337 332.283,283.337 ; 327.203,283.337 332.283,283.337
  Bottom Layer w4.572: DC-DC2.5@337.363,293.548 337.363,302.616 344.018,309.27
  Bottom Layer w5.08: DC-DC2.8 DC-DC2.8@322.326,293.243 ; DC-DC2.8@322.199,293.37 DC-DC2.8@322.326,293.243 ; pad.0@322.326,288.163 DC-DC2.8@322.326,293.243 ; DC-DC2.7@327.152,293.243 327.203,293.192 pad.1@327.203,288.112 ; pad.2@332.359,287.782 DC-DC2.6@332.359,293.243 ; pad.3@337.363,287.909 337.363,293.192 DC-DC2.5@337.312,293.243 ; DC-DC2.5 DC-DC2.5@337.312,293.243 ; DC-DC2.8@322.326,293.243 DC-DC2.7 DC-DC2.6 DC-DC2.5@337.312,293.243
RX3: P5.26 PWM_1_1.8 | length 100.5
  Top Layer w1.27: v1(297.053,218.821) 307.975,229.743 v1(307.975,239.141)
  Bottom Layer w1.27: P5.26 254.086,204.724 277.374,204.724 277.501,204.851 278.12,204.851 280.152,202.819 288.163,202.819 292.354,207.01 292.354,214.122 v1(297.053,218.821) ; PWM_1_1.8 304.267,242.849 v1(307.975,239.141)
T1_1: P2.6 SIP1.5 | length 111.6
  Top Layer w1.27: v1(260.731,210.947) 297.18,210.947 302.387,205.74 v1(302.387,202.946)
  Bottom Layer w1.27: v1@260.858,210.947 v1(260.731,210.947) 260.794,211.01 260.794,224.091 266.446,229.743 266.446,259.893 SIP1.5 ; P2.6@302.387,196.723 v1(302.387,202.946)
T1_2: P2.16 SIP1.6 | length 116.9
  Top Layer w1.27: v1(263.652,216.154) 263.652,216.027 267.081,212.598 307.09,212.598 317.123,202.565 317.246,202.565 320.675,199.136 v1(321.945,199.136)
  Bottom Layer w1.27: v1(263.652,216.154) 263.652,223.393 268.097,227.838 268.097,257.353 SIP1.6 ; v1(321.945,199.136) 321.945,196.723 P2.16@322.199,196.469
T1_3: P2.26 SIP1.7 | length 128.9
  Top Layer w1.27: v1(267.97,217.424) 267.97,217.551 271.145,214.376 308.356,214.376 318.643,204.089 338.963,204.089 v1(341.122,201.93)
  Bottom Layer w1.27: v1@268.097,217.551 266.446,219.202 266.446,223.774 269.748,227.076 269.748,254.813 SIP1.7 ; v1(341.122,201.93) 341.122,201.168 341.931,200.359 P2.26
T1_4: P2.25 SIP1.8 | length 136.9
  Top Layer w1.27: v1@268.097,208.407 290.068,186.436 v1(338.582,186.436)
  Bottom Layer w1.27: v1(268.224,208.407) 270.637,210.82 270.637,217.805 269.811,218.63 269.568,218.63 268.414,219.784 268.414,221.414 271.755,224.754 271.755,236.22 271.399,236.576 271.399,252.273 SIP1.8 SIP1.8@273.761,252.247 ; v1(338.582,186.436) 338.582,186.563 341.931,189.912 P2.25
T2_1: P5.6 PWM_1_1.1 | length 110.4
  Top Layer w1.27: v1@206.439,203.263 210.439,207.264 251.333,207.264 254.508,210.439 v1(254.508,211.328) ; v1(258.826,215.773) 265.938,222.885 265.938,227.19 282.08,243.332 v1(286.512,243.332)
  Bottom Layer w1.27: P5.6@206.248,196.723 206.502,196.977 v1@206.502,203.2 ; v1(254.508,211.328) 258.953,215.773 v1(258.826,215.773) ; v1@286.487,243.357 PWM_1_1.1
  other v1: 206.502,203.454
T2_2: P5.16 PWM_1_1.4 | length 123.5
  Bottom Layer w1.27: P5.16 226.221,206.248 276.743,206.248 276.934,206.439 285.813,206.439 286.004,206.629 286.004,207.264 ; 286.004,207.391 286.004,207.264 ; PWM_1_1.4 294.107,246.405 299.591,240.921 299.591,235.845 299.593,235.843 299.593,225.425 298.196,224.028 289.052,224.028 286.004,220.98 286.004,207.264
T3_1: P6.6 PWM_1_1.5 | length 161.7
  Top Layer w1.27: v1(303.403,250.444) 304.66,249.187 305.082,249.187 308.356,245.913 v1(308.356,242.697) ; v1(327.279,246.126) 343.662,262.509 351.79,262.509 359.537,270.256 372.618,270.256 v1@376.682,274.32 ; v1(386.08,297.307) 392.049,297.307 397.256,292.1 397.256,285.342 398.018,284.58 v1(398.018,282.067)
  Bottom Layer w1.27: PWM_1_1.5 296.647,247.462 299.756,250.571 303.403,250.571 v1(303.403,250.444) ; v1(308.356,242.697) 323.85,242.697 v1(327.279,246.126) ; v1(376.682,274.193) 377.571,275.082 377.571,297.307 v1(386.08,297.307) ; P6.6 397.658,282.427 v1(398.018,282.067)
T3_2: P6.16 PWM_1_1.6 | length 183.4
  Top Layer w1.27: v1(328.168,228.219) 328.168,227.711 328.295,227.584 328.295,211.836 354.076,211.836 v1(356.489,209.423) ; v1(380.365,208.153) 391.922,208.153 394.716,210.947 394.716,244.348 395.732,245.364 v1(395.732,262.636)
  Bottom Layer w1.27: PWM_1_1.6@299.212,247.269 299.569,246.912 299.569,244.372 301.115,242.826 301.115,236.476 309.372,228.219 v1(328.168,228.219) ; v1(356.489,209.423) 357.759,208.153 v1(380.365,208.153) ; P6.16 395.723,262.627 v1(395.732,262.636)
T3_3: P6.26 PWM_1_1.3 | length 184.4
  Top Layer w1.27: v1(384.048,205.613) 395.605,205.613 397.256,207.264 397.256,241.935 v1(396.748,242.443)
  Bottom Layer w1.27: PWM_1_1.3 291.567,249.784 295.148,253.365 307.594,253.365 312.928,248.031 326.4,248.031 326.464,248.094 365.315,248.094 384.048,229.362 v1(384.048,205.613) ; P6.26@392.049,242.824 396.367,242.824 v1(396.748,242.443)
T3_4: P6.25 PWM_1_1.2 | length 109.6
  Bottom Layer w1.27: PWM_1_1.2 289.027,250.419 294.132,255.524 307.975,255.524 313.944,249.555 325.769,249.555 325.832,249.618 367.474,249.618 374.269,242.824 P6.25@387.985,242.824
T4_1: P4.6 SIP5_1.4 | length 144.7
  Top Layer w1.27: v1(210.439,283.718) 216.535,277.622 216.535,217.678 218.186,216.027 249.047,216.027 254.508,221.488 254.508,237.998 v1(263.652,237.998)
  Bottom Layer w1.27: P4.6 210.799,283.697 210.779,283.718 v1(210.439,283.718) ; SIP5_1.4@263.525,242.189 263.652,242.062 v1(263.652,237.998)
T4_2: P4.16 SIP5_1.3 | length 136.1
  Top Layer w1.27: v1(210.439,263.779) 209.55,262.89 209.55,248.148 212.788,244.909 212.788,243.279 212.344,242.834 212.344,215.9 217.17,211.074 246.263,211.074 246.708,211.518 248.338,211.518 248.534,211.323 v1(253.873,216.662)
  Bottom Layer w1.27: P4.16 210.321,263.897 v1(210.439,263.779) ; v1(253.873,216.662) 255.778,218.567 255.778,243.078 257.302,244.602 SIP5_1.3 SIP5_1.3@263.652,244.602
T4_3: P4.26 SIP5_1.2 | length 124.3
  Top Layer w1.27: v1(210.82,244.094) 210.82,211.709 212.979,209.55 ; 213.106,209.423 213.233,209.55 v1(247.523,209.55)
  Bottom Layer w1.27: P4.26 210.817,244.097 v1(210.82,244.094) ; v1(247.523,209.55) 247.523,212.471 ; 247.523,212.598 247.523,212.471 ; SIP5_1.2@263.652,247.142 SIP5_1.2 255.016,247.142 252.349,244.475 252.349,217.922 247.523,213.096 247.523,212.471
T4_4: P4.25 SIP5_1.1 | length 129.3
  Top Layer w1.27: v1(195.199,224.028) v1(195.199,244.094)
  Bottom Layer w1.27: v1(195.199,224.028) 195.199,223.774 203.2,215.773 247.396,215.773 250.698,219.075 250.698,247.142 253.238,249.682 SIP5_1.1 SIP5_1.1@263.652,249.682 ; v1(195.199,244.094) P4.25@201.93,244.094
T5_1: P1.6 SIP1.1 | length 73.7
  Bottom Layer w0.762: SIP1.1@273.812,270.129 273.812,278.638 281.178,286.004 305.61,286.004 309.323,289.717 309.323,289.832 317.485,297.994 317.485,310.406 P1.6
T5_2: P1.16 SIP1.2 | length 59.7
  Bottom Layer w1.27: SIP1.2 273.543,267.513 271.818,269.237 271.818,279.926 280.817,288.925 287.782,288.925 288.925,290.068 288.925,293.751 298.45,303.276 P1.16@298.45,311.15
T5_3: P1.26 SIP1.3 | length 69.5
  Bottom Layer w1.27: SIP1.3 272.237,264.973 269.875,267.335 269.875,281.051 277.621,288.797 277.621,292.735 279.144,294.259 286.385,294.259 289.052,296.926 289.052,305.435 287.274,307.213 279.908,307.213 278.638,308.483 P1.26@278.638,311.15
T5_4: P1.25 SIP1.4 | length 98.8
  Top Layer w1.143: v1(252.984,319.786) v1(278.638,319.786)
  Bottom Layer w1.143: v1(252.984,319.786) 252.857,304.419 262.444,294.832 262.444,269.686 269.697,262.433 SIP1.4 ; P1.25@278.638,315.087 v1(278.638,319.786)
TX3: P5.25 PWM_1_1.7 | length 129.9
  Top Layer w1.27: v1(246.253,186.944) 246.253,176.911 246.507,176.657 260.35,176.657 v1(261.747,178.054) ; v1(264.795,187.325) 279.781,187.325 v1(282.829,190.373) ; v1(286.004,193.548) 289.814,197.358 v1(289.814,207.391) ; v1(289.433,217.932) 292.862,221.361 295.402,221.361 303.657,229.616 v1(303.657,239.522)
  Bottom Layer w1.27: P5.25 246.021,187.176 v1(246.253,186.944) ; v1(261.747,178.054) 261.747,184.277 v1(264.795,187.325) ; v1(282.829,190.373) v1(286.004,193.548) ; v1(289.433,217.932) 289.433,207.772 v1(289.814,207.391) ; PWM_1_1.7 301.727,244.37 302.639,243.458 302.639,240.54 v1(303.657,239.522)
copper on no net: | length 31.6
  Bottom Layer w1.27: 309.499,271.907 309.499,282.448 ; 306.959,271.907 306.959,282.448 306.959,271.907

## Keep-outs
Keep-Out Layer:
  lines w0.076: 165.1,339.09 165.1,168.148 170.256,168.148 ; 165.114,339.09 177.114,339.09 ; 170.231,168.148 177.14,168.148 ; 206.998,339.09 177.114,339.09 ; 207.01,339.09 240.03,339.09 377.19,339.09 407.289,339.09 ; 407.264,168.148 419.278,168.148 419.278,339.09 ; 419.289,339.09 407.289,339.09 ; 177.114,339.09 177.114,168.148 407.289,168.148 407.289,339.09

## Silkscreen, mask and mechanical layers (free items; w line width, h text height)
Top Overlay:
  lines w0.076: 322.326,265.201 322.351,265.176 ; 260.731,232.029 260.858,232.029 260.731,232.156 260.731,280.797 325.628,280.797 325.628,232.029 260.731,232.029
  lines w0.127: 286.818,232.004 296.818,232.004